# KiCad board knobdeavour.kicad_pcb
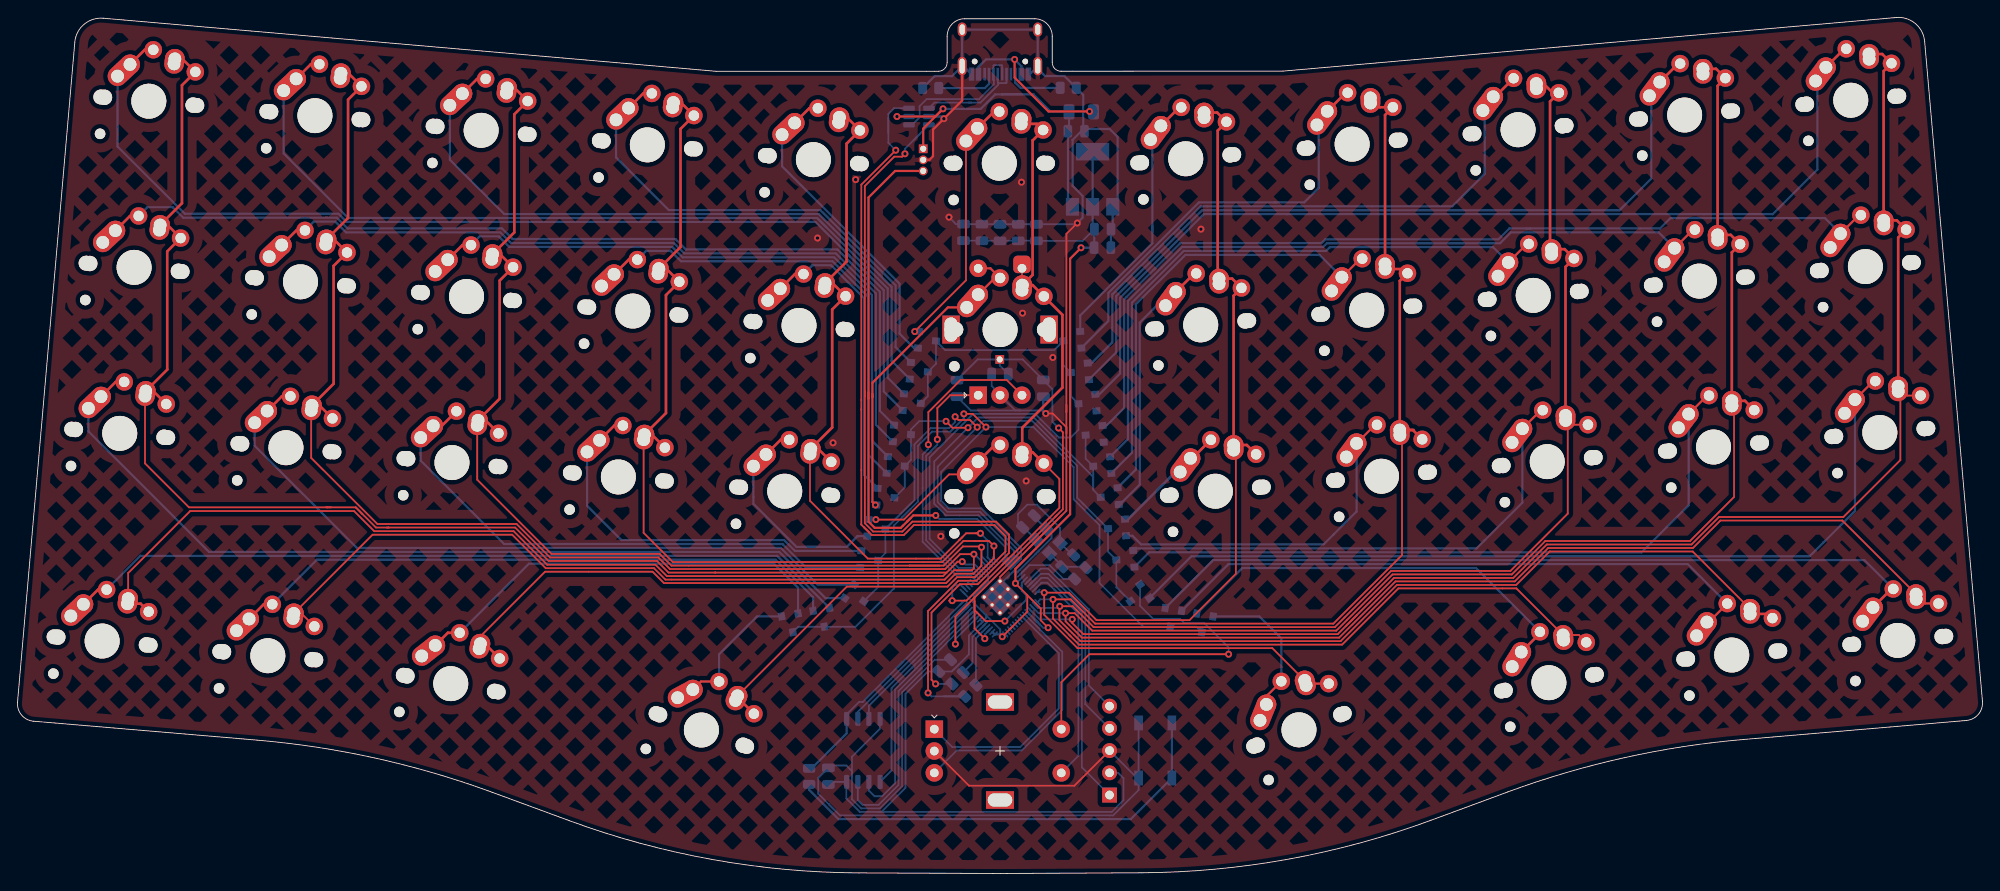
[diagram p0: board, top side]
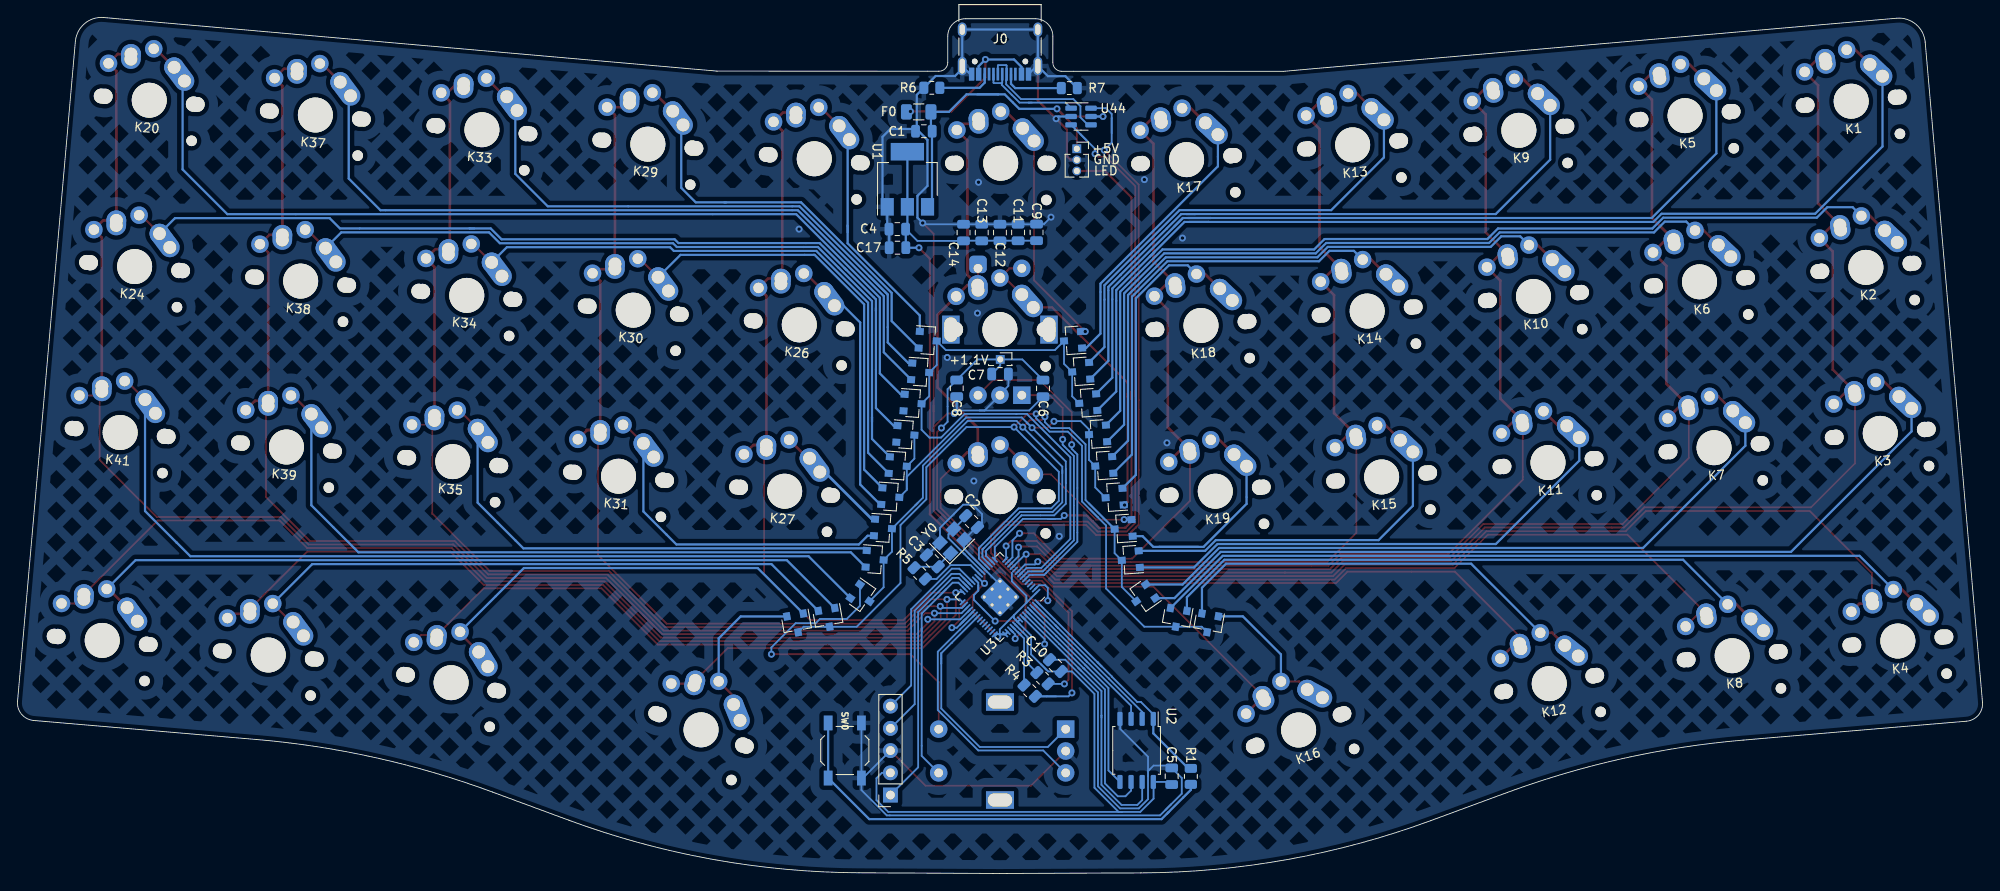
[diagram p1: board, bottom side, seen from below]

Outline 224.38 x 97.82 mm; copper layers: Top, Bottom. Coordinates in mm from the lower left corner of the outline.
Outline path: 0,19.56 6.54,95.01 arc(7.6,97.05) 9.79,97.74 79.81,91.67 103.82,91.68 104.66,91.68 105.16,91.68 arc(105.87,91.97) 106.16,92.68 106.16,95.68 arc(106.74,97.1) 108.16,97.68 116.16,97.68 arc(117.57,97.1) 118.16,95.68 118.16,92.68 arc(118.45,91.97) 119.16,91.68 120.51,91.68 144.52,91.7 214.53,97.82 arc(216.72,97.13) 217.78,95.1 224.38,19.65 arc(223.92,18.2) 222.56,17.49 197.05,15.31 arc(183.4,13.22) 170.15,9.31 161.4,6.08 arc(145.11,1.64) 128.3,0.08 112.26,0 96.1,0.07 arc(79.29,1.61) 62.99,6.04 54.24,9.27 arc(40.99,13.16) 27.34,15.24 1.82,17.4 arc(0.47,18.1) 0,19.56
Stack: Top 0.035mm / dielectric 1.51mm FR4 er 4.5 / Bottom 0.035mm

## Placement (name value [footprint] x y rotation side)
C1  10u  [C_0805_2012Metric]  120.89 84.83 0 bottom
C2  22pf  [C_0805_2012Metric]  115.44 40.22 225 bottom
C3  22pf  [C_0805_2012Metric]  119.93 35.73 45 bottom
C4  10u  [C_0805_2012Metric]  123.92 73.64 0 bottom
C5  100n  [C_0805_2012Metric]  92.59 11.12 90 bottom
C6  100n  [C_0805_2012Metric]  107.28 55.44 270 bottom
C7  100n  [C_0805_2012Metric]  112.19 57.08 180 bottom
C8  1u  [C_0805_2012Metric]  117.13 55.45 270 bottom
C9  100n  [C_0805_2012Metric]  108.02 73.27 90 bottom
C10  1u  [C_0805_2012Metric]  105.87 23.76 45 bottom
C11  100n  [C_0805_2012Metric]  110.13 73.26 90 bottom
C12  100n  [C_0805_2012Metric]  112.2 73.25 90 bottom
C13  100n  [C_0805_2012Metric]  114.28 73.25 90 bottom
C14  100n  [C_0805_2012Metric]  116.36 73.25 90 bottom
C17  10u  [C_0805_2012Metric]  123.9 71.52 0 bottom
D1  BAV70  [SOT-23]  102.15 53.8 356 bottom
D2  BAV70  [SOT-23]  101.03 50.23 356 bottom
D3  BAV70  [SOT-23]  95.82 31.68 325 bottom
D4  BAV70  [SOT-23]  91.96 29.19 280 bottom
D5  BAV70  [SOT-23]  102.95 57.39 356 bottom
D6  BAV70  [SOT-23]  100.32 46.63 356 bottom
D7  BAV70  [SOT-23]  97.29 35.86 356 bottom
D8  BAV70  [SOT-23]  88.37 28.57 280 bottom
D9  BAV70  [SOT-23]  103.88 60.93 356 bottom
D10  BAV70  [SOT-23]  99.14 43.01 356 bottom
D11  BAV70  [SOT-23]  98.11 39.43 356 bottom
D12  BAV70  [SOT-23]  122.15 53.75 184 bottom
D13  BAV70  [SOT-23]  120.42 60.93 184 bottom
D14  BAV70  [SOT-23]  124.69 43.06 184 bottom
D15  BAV70  [SOT-23]  125.53 39.48 184 bottom
D16  BAV70  [SOT-23]  135.42 28.56 260 bottom
D17  BAV70  [SOT-23]  121.28 57.32 184 bottom
D18  BAV70  [SOT-23]  123.84 46.61 184 bottom
D19  BAV70  [SOT-23]  126.48 35.9 184 bottom
D20  BAV70  [SOT-23]  131.83 29.19 260 bottom
D21  BAV70  [SOT-23]  122.97 50.17 184 bottom
D22  BAV70  [SOT-23]  127.91 31.68 215 bottom
F0  polyfuse  [Fuse_1206_3216Metric]  121.48 87.04 180 bottom
J0  USB_C_Receptacle_USB2.0  [USB_C_Receptacle_HRO_TYPE-C-31-M-12]  112.19 95.4 0 bottom
J1  BREAKOUT  [PinSocket_1x05_P2.54mm_Vertical]  124.7 8.97 0 bottom
J2  Conn_01x03_Male  [PinSocket_1x03_P1.27mm_Vertical]  103.42 82.82 180 bottom
J4  Conn_01x01_Male  [PinSocket_1x01_P1.27mm_Vertical]  112.16 58.75 180 bottom
K1  KEYSW  [MX-Alps-Choc-1U-NoLED]  14.99 88.26 355 top
K2  KEYSW  [MX-Alps-Choc-1U-NoLED]  13.31 69.27 355 top
K3  KEYSW  [MX-Alps-Choc-1U-NoLED]  11.67 50.3 355 top
K4  KEYSW  [MX-Alps-Choc-1U-NoLED]  9.66 26.57 355 top
K5  KEYSW  [MX-Alps-Choc-1U-NoLED]  33.96 86.61 355 top
K6  KEYSW  [MX-Alps-Choc-1U-NoLED]  32.31 67.62 355 top
K7  KEYSW  [MX-Alps-Choc-1U-NoLED]  30.65 48.66 355 top
K8  KEYSW  [MX-Alps-Choc-1U-NoLED]  28.58 24.89 355 top
K9  KEYSW  [MX-Alps-Choc-1U-NoLED]  52.94 84.93 355 top
K10  KEYSW  [MX-Alps-Choc-1U-NoLED]  51.27 65.94 355 top
K11  KEYSW  [MX-Alps-Choc-1U-NoLED]  49.61 46.96 355 top
K12  KEYSW  [MX-Alps-Choc-1U-NoLED]  49.47 21.7 350 top
K13  KEYSW  [MX-Alps-Choc-1U-NoLED]  71.92 83.27 355 top
K14  KEYSW  [MX-Alps-Choc-1U-NoLED]  70.26 64.28 355 top
K15  KEYSW  [MX-Alps-Choc-1U-NoLED]  68.61 45.32 355 top
K16  KEYSW  [MX-Alps-Choc-1U-NoLED]  78.09 16.4 340 top
K17  KEYSW  [MX-Alps-Choc-1U-NoLED]  90.88 81.58 355 top
K18  KEYSW  [MX-Alps-Choc-1U-NoLED]  89.24 62.63 355 top
K19  KEYSW  [MX-Alps-Choc-1U-NoLED]  87.61 43.69 355 top
K20  KEYSW  [MX-Alps-Choc-1U-NoLED]  209.34 88.37 5 top
K21  KEYSW  [MX-Alps-Choc-1U-NoLED]  112.11 81.17 0 top
K22  KEYSW  [MX-Alps-Choc-1U-NoLED]  112.2 62.16 0 top
K23  KEYSW  [MX-Alps-Choc-1U-NoLED]  112.19 43.07 0 top
K24  KEYSW  [MX-Alps-Choc-1U-NoLED]  211.01 69.36 5 top
K25  KEYSW  [MX-Alps-Choc-1U-NoLED]  133.4 81.68 5 top
K26  KEYSW  [MX-Alps-Choc-1U-NoLED]  135.11 62.7 5 top
K27  KEYSW  [MX-Alps-Choc-1U-NoLED]  136.78 43.69 5 top
K28  KEYSW  [MX-Alps-Choc-1U-NoLED]  146.33 16.42 20 top
K29  KEYSW  [MX-Alps-Choc-1U-NoLED]  152.4 83.35 5 top
K30  KEYSW  [MX-Alps-Choc-1U-NoLED]  154.07 64.38 5 top
K31  KEYSW  [MX-Alps-Choc-1U-NoLED]  155.75 45.4 5 top
K32  KEYSW  [MX-Alps-Choc-1U-NoLED]  174.87 21.81 10 top
K33  KEYSW  [MX-Alps-Choc-1U-NoLED]  171.35 85 5 top
K34  KEYSW  [MX-Alps-Choc-1U-NoLED]  173.08 66.07 5 top
K35  KEYSW  [MX-Alps-Choc-1U-NoLED]  174.68 47.07 5 top
K36  KEYSW  [MX-Alps-Choc-1U-NoLED]  195.75 24.97 5 top
K37  KEYSW  [MX-Alps-Choc-1U-NoLED]  190.37 86.68 5 top
K38  KEYSW  [MX-Alps-Choc-1U-NoLED]  192.05 67.7 5 top
K39  KEYSW  [MX-Alps-Choc-1U-NoLED]  193.67 48.74 5 top
K40  KEYSW  [MX-Alps-Choc-1U-NoLED]  214.71 26.64 5 top
K41  KEYSW  [MX-Alps-Choc-1U-NoLED]  212.66 50.4 5 top
R1  1k  [R_0805_2012Metric]  90.4 11.1 270 bottom
R3  27  [R_0805_2012Metric]  107.34 22.32 45 bottom
R4  27  [R_0805_2012Metric]  108.8 20.89 45 bottom
R5  1k  [R_0805_2012Metric]  121.36 34.3 45 bottom
R6  5.1k  [R_0805_2012Metric]  119.98 89.79 0 bottom
R7  5.1k  [R_0805_2012Metric]  104.28 89.76 180 bottom
SW0  RESET  [SW_SPST_TL3342]  129.92 14.06 270 bottom
SW1  RotaryEncoder_Switch  [RotaryEncoder_EC11#2]  112.19 14 0 top
SW2  RotaryEncoder_Switch  [RotaryEncoder_EC11]  112.2 62.16 90 top
U1  NCP1117-3.3_SOT223  [SOT-223-3_TabPin2]  122.77 79.34 90 bottom
U2  W25Q128JVS  [SOIC-8_5.23x5.23mm_P1.27mm]  96.59 14.07 270 bottom
U3  RP2040  [RP2040-QFN-56]  112.19 31.6 315 bottom
U44  SRV05-4  [SOT-23-6]  102.94 86.51 180 bottom
Y0  12MHZ Crystal  [Crystal_SMD_3225-4Pin_3.2x2.5mm]  117.67 37.98 135 bottom

## Library data of the parts
C1 C4 C17 = -: LCSC: C91245
C2 C3 = -: LCSC: C1804
C5-C7 C9 C11-C14 = -: LCSC: C49678
C8 C10 = -: LCSC: C28323
F0 = -: LCSC: C69688
J0 = -: LCSC: C165948
R1 R5 = -: LCSC: C11702
R3 R4 = -: LCSC: C138021
R6 R7 = -: LCSC: C27834
SW0 = -: LCSC: C318884
U1 = -: LCSC: C20546
U2 = -: LCSC: C97521
U3 = -: LCSC: C2040
U44 = -: LCSC: C85364
Y0 = -: LCSC: C9002

## Footprints (pads in the part's own frame, mm; a bottom-side part is the same pattern mirrored in y, then rotated)
C_0805_2012Metric
  rrect 1x1.45 smd: 1(-0.95,0) 2(0.95,0)
Crystal_SMD_3225-4Pin_3.2x2.5mm
  rect 1.4x1.2 smd: 1(-1.1,-0.85) 2(1.1,-0.85) 3(1.1,0.85) 4(-1.1,0.85)
Fuse_1206_3216Metric
  rrect 1.25x1.75 smd: 1(-1.4,0) 2(1.4,0)
MX-Alps-Choc-1U-NoLED
  round 1.7 hole 1.7 unplated: (-5.5,0) (5.5,0)
  round 1.2 hole 1.2 unplated: (-5.22,-4.2)
  round 1.75 hole 1.75 unplated: (-5.08,0) (5.08,0)
  round 3.988 hole 3.988 unplated: (0,0)
  oval 2.831x2.25 hole 1.47 rot 86.1: 1(2.5,4.5)
  round 2.25 hole 1.47: 1(2.54,5.08) 2(-2.5,4)
  round 2 hole 1.2: 1(5,3.8) 2(0,5.9)
  oval 4.212x2.25 hole 1.47 rot 48.1: 2(-3.81,2.54)
PinSocket_1x01_P1.27mm_Vertical
  rect 1x1 hole 0.7: 1(0,0)
PinSocket_1x03_P1.27mm_Vertical
  rect 1x1 hole 0.7: 1(0,0)
  oval 1x1 hole 0.7: 2(0,-1.27) 3(0,-2.54)
PinSocket_1x05_P2.54mm_Vertical
  rect 1.7x1.7 hole 1: 1(0,0)
  oval 1.7x1.7 hole 1: 2(0,-2.54) 3(0,-5.08) 4(0,-7.62) 5(0,-10.16)
R_0805_2012Metric
  rrect 1.025x1.4 smd: 1(-0.912,0) 2(0.912,0)
RotaryEncoder_EC11
  rect 3.2x2 hole 2.8x1.5 unplated: (0,5.6) (0,-5.6)
  rect 2x2 hole 1: A(-7.5,2.5)
  round 2 hole 1: B(-7.5,-2.5) C(-7.5,0) S2(7,2.5)
  rrect 2x2 hole 1: S1(7,-2.5)
RotaryEncoder_EC11#2
  rect 3.2x2 hole 2.8x1.5 unplated: (0,5.6) (0,-5.6)
  rect 2x2 hole 1: A(-7.5,2.5)
  round 2 hole 1: B(-7.5,-2.5) C(-7.5,0) S1(7,-2.5) S2(7,2.5)
RP2040-QFN-56
  rrect 1.084x1.084 smd: (-0.637,-0.637) (-0.637,0.637) (0.637,-0.637) (0.637,0.637)
  rrect 0.875x0.2 smd: 1(-3.438,2.6) 2(-3.438,2.2) 3(-3.438,1.8) 4(-3.438,1.4) 5(-3.438,1) 6(-3.438,0.6) 7(-3.438,0.2) 8(-3.438,-0.2) 9(-3.438,-0.6) 10(-3.438,-1) 11(-3.438,-1.4) 12(-3.438,-1.8) 13(-3.438,-2.2) 14(-3.438,-2.6) 29(3.438,-2.6) 30(3.438,-2.2) 31(3.438,-1.8) 32(3.438,-1.4) 33(3.438,-1) 34(3.438,-0.6) 35(3.438,-0.2) 36(3.438,0.2) 37(3.438,0.6) 38(3.438,1) 39(3.438,1.4) 40(3.438,1.8) 41(3.438,2.2) 42(3.438,2.6)
  rrect 0.2x0.875 smd: 15(-2.6,-3.438) 16(-2.2,-3.438) 17(-1.8,-3.438) 18(-1.4,-3.438) 19(-1,-3.438) 20(-0.6,-3.438) 21(-0.2,-3.438) 22(0.2,-3.438) 23(0.6,-3.438) 24(1,-3.438) 25(1.4,-3.438) 26(1.8,-3.438) 27(2.2,-3.438) 28(2.6,-3.438) 43(2.6,3.438) 44(2.2,3.438) 45(1.8,3.438) 46(1.4,3.438) 47(1,3.438) 48(0.6,3.438) 49(0.2,3.438) 50(-0.2,3.438) 51(-0.6,3.438) 52(-1,3.438) 53(-1.4,3.438) 54(-1.8,3.438) 55(-2.2,3.438) 56(-2.6,3.438)
  round 0.6 hole 0.35: 57(-1.275,-1.275) 57(-1.275,0) 57(-1.275,1.275) 57(0,-1.275) 57(0,0) 57(0,1.275) 57(1.275,-1.275) 57(1.275,0) 57(1.275,1.275)
  rrect 3.2x3.2 smd: 57(0,0)
SOIC-8_5.23x5.23mm_P1.27mm
  rrect 1.6x0.6 smd: 1(-3.6,1.905) 2(-3.6,0.635) 3(-3.6,-0.635) 4(-3.6,-1.905) 5(3.6,-1.905) 6(3.6,-0.635) 7(3.6,0.635) 8(3.6,1.905)
SOT-23
  rect 0.9x0.8 smd: 1(-1,0.95) 2(-1,-0.95) 3(1,0)
SOT-23-6
  rrect 1.325x0.6 smd: 1(-1.137,0.95) 2(-1.137,0) 3(-1.137,-0.95) 4(1.137,-0.95) 5(1.137,0) 6(1.137,0.95)
SOT-223-3_TabPin2
  rect 2x1.5 smd: 1(-3.15,2.3) 2(-3.15,0) 3(-3.15,-2.3)
  rect 2x3.8 smd: 2(3.15,0)
SW_SPST_TL3342
  rect 1.7x1 smd: 1(-3.15,1.9) 1(3.15,1.9) 2(-3.15,-1.9) 2(3.15,-1.9)
USB_C_Receptacle_HRO_TYPE-C-31-M-12
  round 0.65 hole 0.65 unplated: (-2.89,2.6) (2.89,2.6)
  rect 0.6x1.45 smd: A1(-3.25,4.045) A4(-2.45,4.045) A9(2.45,4.045) A12(3.25,4.045) B1(3.25,4.045) B4(2.45,4.045) B9(-2.45,4.045) B12(-3.25,4.045)
  rect 0.3x1.45 smd: A5(-1.25,4.045) A6(-0.25,4.045) A7(0.25,4.045) A8(1.25,4.045) B5(1.75,4.045) B6(0.75,4.045) B7(-0.75,4.045) B8(-1.75,4.045)
  oval 1x1.6 hole 0.6x1.2: S1(-4.32,-1.05) S1(4.32,-1.05)
  oval 1x2.1 hole 0.6x1.7: S1(-4.32,3.13) S1(4.32,3.13)

## Nets
+1V1: C6.1 C7.1 C8.1 J4.1 U3.23 U3.45 U3.50
+3V3: C4.1 C5.1 C9.1 C10.1 C11.1 C12.1 C13.1 C14.1 C17.1 J1.2 U1.2 U2.8 U3.1 U3.10 U3.22 U3.33 U3.42 U3.43 U3.44 U3.48 U3.49
+5V: C1.1 F0.2 J2.1 U1.3 U44.5
GND: C1.2 C2.2 C3.2 C4.2 C5.2 C6.2 C7.2 C8.2 C9.2 C10.2 C11.2 C12.2 C13.2 C14.2 C17.2 J0.A1 J0.A12 J0.B1 J0.B12 J0.S1 J1.3 J2.2 R6.2 R7.2 SW0.1 SW1.C SW2.C U1.1 U2.4 U3.19 U3.57 U44.2 Y0.2 Y0.4
VBUS: F0.1 J0.A4 J0.A9 J0.B4 J0.B9
/GPIO26_ADC0: U3.38
/GPIO27_ADC1: U3.39
/GPIO28_ADC2: U3.40
/GPIO29_ADC3: U3.41
/QSPI_SCLK: U2.6 U3.52
/QSPI_SD0: U2.5 U3.53
/QSPI_SD1: U2.2 U3.55
/QSPI_SD2: U2.3 U3.54
/QSPI_SD3: U2.7 U3.51
/QSPI_SS: R1.1 U2.1 U3.56
/RUN: J1.1 U3.26
/SWCLK: J1.5 U3.24
/SWD: J1.4 U3.25
/USB_D+: R3.1 U44.3
/USB_D-: R4.1 U44.6
/USB_DIN+: J0.A6 J0.B6 U44.1
/USB_DIN-: J0.A7 J0.B7 U44.4
/XIN: C2.1 U3.20 Y0.3
/XOUT: R5.1 U3.21
/~{USB_BOOT}: R1.2 SW0.2
COL0: K1.1 K2.1 K3.1 K4.1 U3.9
COL1: K5.1 K6.1 K7.1 K8.1 U3.11
COL2: K9.1 K10.1 K11.1 K12.1 U3.12
COL3: K13.1 K14.1 K15.1 K16.1 U3.14
COL4: K17.1 K18.1 K19.1 U3.13
COL5: K21.1 K22.1 K23.1 SW2.S1 U3.2
COL6: K25.1 K26.1 K27.1 K28.1 U3.28
COL7: K29.1 K30.1 K31.1 K32.1 U3.29
COL8: K33.1 K34.1 K35.1 K36.1 U3.30
COL9: K37.1 K38.1 K39.1 K40.1 U3.31
COL10: K20.1 K24.1 K41.1 U3.32
KNOB2_L: SW2.A U3.7
KNOB2_R: SW2.B U3.6
KNOB2_ROW: D10.1 K22.2 SW2.S2
KNOB_COL: SW1.S1 U3.27
KNOB_DIODE: D22.1 SW1.S2
KNOB_L: SW1.A U3.35
KNOB_R: SW1.B U3.34
LED_GLOW: J2.3 U3.15
ROW0: D1.3 D5.3 D9.3 D12.3 D13.3 D17.3 U3.8
ROW1: D2.3 D6.3 D10.3 D14.3 D18.3 D21.3 U3.16
ROW2: D3.3 D7.3 D11.3 D15.3 D19.3 D22.3 U3.17
ROW3: D4.3 D8.3 D16.3 D20.3 U3.18
Net-(C3-Pad1): C3.1 R5.2 Y0.1
Net-(D1-Pad1): D1.1 K1.2
Net-(D1-Pad2): D1.2 K5.2
Net-(D2-Pad1): D2.1 K6.2
Net-(D2-Pad2): D2.2 K2.2
Net-(D3-Pad1): D3.1 K3.2
Net-(D3-Pad2): D3.2 K7.2
Net-(D4-Pad1): D4.1 K8.2
Net-(D4-Pad2): D4.2 K4.2
Net-(D5-Pad1): D5.1 K9.2
Net-(D5-Pad2): D5.2 K13.2
Net-(D6-Pad1): D6.1 K14.2
Net-(D6-Pad2): D6.2 K10.2
Net-(D7-Pad1): D7.1 K11.2
Net-(D7-Pad2): D7.2 K15.2
Net-(D8-Pad1): D8.1 K16.2
Net-(D8-Pad2): D8.2 K12.2
Net-(D9-Pad1): D9.1 K17.2
Net-(D9-Pad2): D9.2 K21.2
Net-(D10-Pad2): D10.2 K18.2
Net-(D11-Pad1): D11.1 K19.2
Net-(D11-Pad2): D11.2 K23.2
Net-(D12-Pad1): D12.1 K20.2
Net-(D13-Pad1): D13.1 K25.2
Net-(D13-Pad2): D13.2 K29.2
Net-(D14-Pad1): D14.1 K30.2
Net-(D14-Pad2): D14.2 K26.2
Net-(D15-Pad1): D15.1 K27.2
Net-(D15-Pad2): D15.2 K31.2
Net-(D16-Pad1): D16.1 K32.2
Net-(D16-Pad2): D16.2 K28.2
Net-(D17-Pad1): D17.1 K33.2
Net-(D17-Pad2): D17.2 K37.2
Net-(D18-Pad1): D18.1 K38.2
Net-(D18-Pad2): D18.2 K34.2
Net-(D19-Pad1): D19.1 K35.2
Net-(D19-Pad2): D19.2 K39.2
Net-(D20-Pad1): D20.1 K40.2
Net-(D20-Pad2): D20.2 K36.2
Net-(D21-Pad1): D21.1 K24.2
Net-(D22-Pad2): D22.2 K41.2
Net-(J0-PadA5): J0.A5 R7.1
Net-(J0-PadB5): J0.B5 R6.1
Net-(R3-Pad2): R3.2 U3.47
Net-(R4-Pad2): R4.2 U3.46

Pads without a net: D12 2; D21 2; J0 A8 B8; U3 3 4 5 36 37

## Via types
v1: diameter 0.8, hole 0.4, Top to Bottom, 53 vias

## Routing (per net, layer and track width the routed paths; a pad name or vN(x,y) marks a point on that pad's centre or on a via; arc(x,y) is an arc through that point)
+1V1: length 74.1
  Top w0.2: 109.28,31.13 109.28,28.01 v1(110.46,26.84) 110.74,26.84 ; 109.28,31.13 109.28,30.11 110.55,28.85 v1(112.75,28.85) ; 109.28,31.13 109.28,31.53 ; 109.28,31.53 107.1,29.35 v1(107.1,26.22) ; 109.28,31.53 118.47,40.72 ; 118.47,40.72 119.37,41.62 119.37,50.42 v1(118.89,50.91) ; 118.47,40.72 118.72,40.97
  Bottom w0.2: U3.23 114.67,33.23 114.67,32.9 ; v1(107.1,26.22) 107.1,26.79 U3.50 109.28,28.97 ; 114.67,32.35 114.67,32.9 ; 114.67,32.9 114.67,32.31 115.17,31.82 115.17,31.27 v1(112.75,28.85) ; J4.1 109.64,58.75 C6.1 ; J4.1 112.16,58.05 C7.1 ; J4.1 114.78,58.75 C8.1 118.18,55.35 118.18,51.62 v1(118.89,50.91) ; 110.46,26.67 v1(110.46,26.84) 110.46,27.32 U3.45 110.73,27.59
+3V3: length 175.1
  Top w0.2: v1(117.69,28.09) 116.84,28.93 116.84,30.27 115.31,31.81 ; 113.63,28.24 113.28,27.89 ; 113.28,27.89 v1(112.45,27.06) ; 113.28,27.89 115.31,29.92 115.31,31.81 ; 115.31,31.81 v1(113.96,33.16)
  Top w0.25: 121.29,71.51 v1(121.45,71.51) 120.2,70.26 120.2,41.06 113.96,34.82 v1(113.96,33.16)
  Bottom w0.2: 109.18,30.94 109.18,31.74 110.85,33.4 110.85,34.36 ; 109.18,30.94 U3.1 ; 109.18,30.94 110.61,29.51 ; v1(117.69,28.09) 117.12,28.09 116.25,28.96 ; C5.1 92.89,10.47 U2.8 94.66,10.44 94.66,8.56 96.18,7.04 98.28,7.04 ; U3.48 108.64,27.2 108.64,25.04 107.51,23.9 ; U3.48 110.19,28.77 110.61,29.19 110.61,29.51 ; U3.48 U3.49 ; C9.1 116.34,72.32 C14.1 121.63,72.3 C4.1 ; U3.22 114.04,33.16 v1(113.96,33.16) ; J1.2 125.68,11.51 126.3,10.89 126.3,8.38 124.95,7.04 98.28,7.04 ; 107.51,23.9 106.87,23.26 ; 107.51,23.9 106.69,23.09 C10.1 103.96,23.09 101.41,20.53 101.41,9.8 98.64,7.04 98.28,7.04 ; 116.25,28.96 116.78,28.43 ; 116.25,28.96 116.11,29.1 ; 112.22,27.33 112.22,27.9 110.61,29.51 ; 116.6,28.61 U3.33 115.33,29.87 116.11,29.1 ; 116.11,29.1 116.41,28.8 116.76,28.45 ; 112.52,27.33 112.45,27.26 v1(112.45,27.06) ; 117.46,28.08 117.58,28.08
  Bottom w0.25: 111.34,27.59 U3.43 112.75,27.33 112.77,27.31 ; U1.2 U1.2 122.77,73.84 C4.1 122.95,73.62 C17.1 122.94,71.51 v1(121.45,71.51)
+5V: length 41.9
  Top w0.25: v1(100.43,86.51) 104.82,86.51 v1(105.69,87.39) 103.42,85.12 J2.1
  Bottom w0.25: U1.3 119.96,76.7 119.96,84.81 C1.1 120.08,84.97 F0.2 118.02,87.04 116.02,89.04 112.41,89.04 ; 112.41,89.04 111.65,89.04 110,87.39 v1(105.69,87.39) ; 112.41,89.04 114.77,89.04 ; v1(100.43,86.51) U44.5
GND: length 313.4
  Top w0.2: U3.57 112.19,33.88 115.58,37.26 ; v1(121.02,74.34) 119.77,73.09 119.77,52.76 ; 119.77,52.76 119.77,41.46 115.58,37.26 ; 119.77,52.76 119.77,53.55 ; 115.58,37.26 119.29,40.98 ; 119.77,50.26 119.77,51.01 118.22,52.57 v1(117.42,52.57) ; J1.3 120.69,10.04 108.65,10.04 SW1.C
  Top w0.25: v1(105.78,86.25) 104.55,85.02 104.55,81.97 104.13,81.55 J2.2 ; v1(105.78,86.25) 106.03,86.5 ; v1(105.78,86.25) 107.87,88.34 J0.S1
  Bottom w0.2: 92.65,7.9 91.44,9.12 91.44,10.92 C5.2 92.86,12.34 94.65,12.34 95.29,11.7 95.29,11.1 ; 92.65,7.9 93.33,7.23 ; 92.65,7.9 93.92,6.64 124.79,6.64 125.12,6.64 128.02,9.54 SW0.1 ; C7.2 111.24,55.72 112.2,54.76 SW2.C 113.94,52.92 114.5,52.92 ; 114.5,52.92 117.07,52.92 v1(117.42,52.57) 117.13,52.85 C8.2 ; 114.5,52.92 108.84,52.92 107.28,54.48 C6.2 ; 114,31.21 U3.57 ; C3.2 120.45,36.4 Y0.4 119.05,39.5 116.4,42.15 115.31,42.15 114.25,41.09 114.25,40.06 C2.2 114.9,39.55 Y0.2 116.29,37.11 U3.19 ; v1(121.02,74.34) 120.88,74.2 C14.2 108.04,74.2 C9.2 107.16,74.22 v1(106.37,75.01) ; U3.19 112.58,33.4 U3.57 ; U3.19 115.74,36.56 ; SW0.1 SW0.1 ; SW0.1 127.84,10.91 J1.3 ; 95.29,11.1 95.29,8.49 96.34,7.44 98.48,7.44 101.01,9.97 101.01,20.69 104.74,24.43 C10.2 ; 95.29,11.1 95.29,13.35 98.47,16.53 98.47,17.64 U2.4 ; C8.2 117.13,52.53 ; C8.2 117.13,53.71
  Bottom w0.25: C1.2 121.69,84.97 121.69,88.98 R6.2 119.54,91.14 117.33,91.14 116.51,91.96 J0.S1 ; C1.2 122.1,85.09 124.71,85.09 125.62,84.18 125.62,76.74 U1.1 125.07,73.84 C4.2 124.85,73.62 C17.2 ; C1.2 121.48,84.83 120.48,83.83 120.48,78.58 121.62,77.44 121.62,74.94 v1(121.02,74.34) ; J0.S1 J0.S1 J0.S1 J0.S1 ; J0.S1 106.72,91.12 104.73,91.12 R7.2 ; J0.S1 108.02,92.27 J0.A1 ; J0.A12 115.59,91.35 J0.S1 ; v1(105.78,86.25) 105.53,86.51 U44.2
  vias: v1(91.36,72.62) v1(93.13,49.22) v1(95.71,79.3) v1(105.43,38.54) v1(114.65,79) v1(114.77,64.04) v1(115.18,44.86) v1(118.22,58.97) v1(135.14,73.64)
VBUS: length 19.5
  Top w0.25: v1(113.86,93.03) 113.86,90.96 117.73,87.09 v1(122.42,87.09)
  Bottom w0.25: J0.A4 109.74,92.18 110.59,93.03 v1(113.86,93.03) 114.64,92.25 J0.A9
/QSPI_SCLK: length 28.3
  Bottom w0.2: 102.66,23.48 102.51,23.33 ; 102.66,23.48 102.66,23.48 100.21,21.03 100.21,10.3 98.74,8.83 97.87,8.83 97.23,9.47 U2.6 ; 102.66,23.48 105.43,26.25 105.43,26.25 U3.52
/QSPI_SD0: length 24.5
  Bottom w0.2: 102.49,23.87 99.81,21.19 99.81,11.78 U2.5 ; 102.49,23.87 102.11,23.49 ; 102.49,23.87 105.75,27.13 105.75,27.13 U3.53
/QSPI_SD1: length 18.5
  Bottom w0.2: U3.55 105.83,28.35 ; 105.83,28.35 105.83,28.34 99.77,22.28 99.77,22.28 95.96,18.47 U2.2 ; 105.83,28.35 105.55,28.06 105.55,28.06
/QSPI_SD2: length 17.8
  Bottom w0.2: U3.54 102.24,24.19 ; 102.24,24.19 97.23,19.17 U2.3 ; 102.24,24.19 102.47,24.42
/QSPI_SD3: length 31.8
  Bottom w0.2: U2.7 95.96,8.39 96.51,7.84 98.31,7.84 100.61,10.13 100.61,18.06 ; 103.27,23.52 109.34,29.59 U3.51 ; 103.27,23.52 102.91,23.16 ; 103.27,23.52 100.61,20.86 100.61,18.06 ; 100.61,18.06 100.61,17.8
/QSPI_SS: length 27.3
  Bottom w0.2: U2.1 94.69,18.19 96.1,19.61 96.53,19.61 99.42,22.5 99.42,22.52 101.03,24.12 101.04,24.12 ; 100.59,23.67 100.59,23.67 101.04,24.12 ; U3.56 101.04,24.12
  Bottom w0.25: R1.1 90.68,12.01 94.69,16.02 U2.1
/RUN: length 30.7
  Bottom w0.2: J1.1 121.54,12.13 121.54,29.86 117.62,33.78 116.92,33.78 U3.26 116.45,33.31
/SWCLK: length 21.6
  Bottom w0.2: U3.24 115.33,33.32 116.85,34.84 117.69,34.84 122.34,30.19 122.34,21.49 J1.5
/SWD: length 24.2
  Bottom w0.2: 116.37,33.8 U3.25 116.82,34.24 117.72,34.24 121.94,30.03 121.94,19.35 J1.4
/USB_D+: length 92.6
  Top w0.2: v1(104.84,21.67) 104.37,22.13 104.37,29.82 107.61,33.06 109.65,33.06 113.22,36.63 113.22,38.74 111.74,40.22 102.19,40.22 101.05,39.08 97.71,39.08 96.75,40.03 96.75,54.53 ; 96.75,54.53 96.75,55.18 ; 96.75,54.53 96.75,78.56 100.11,81.92 101.01,81.92 v1(101.34,82.25)
  Bottom w0.2: U44.3 102.99,84.47 ; 102.99,84.47 101.34,82.82 v1(101.34,82.25) ; 102.99,84.47 102.33,83.81 ; R3.1 106.69,21.67 v1(104.84,21.67)
/USB_D-: length 102.2
  Top w0.2: 103.97,22.81 103.97,23.35 ; 103.97,23.35 103.97,29.98 107.44,33.46 109.48,33.46 112.82,36.79 112.82,38.57 111.57,39.82 102.35,39.82 101.21,38.68 97.54,38.68 96.67,39.55 ; 103.97,23.35 v1(103.98,20.64) 103.97,20.63 ; 96.67,39.55 96.35,39.87 96.35,78.72 v1(100.29,82.66) ; 96.67,39.55 97.31,38.91
  Bottom w0.2: 99.44,86.33 99.44,84.61 ; 99.44,86.33 99.44,86.8 100.1,87.46 U44.6 ; 99.44,86.33 99.44,83.51 v1(100.29,82.66) ; v1(103.98,20.64) 104.37,20.24 R4.1 105.78,20.24
/USB_DIN+: length 12.5
  Bottom w0.2: 111.99,90.33 111.94,90.38 J0.A6 ; 111.99,90.33 111.99,90.12 109.96,88.1 108.89,88.1 ; 111.99,90.33 112.89,90.33 112.94,90.38 J0.B6 ; 108.89,88.1 108.56,88.1 ; 108.89,88.1 104.72,88.1 U44.1
/USB_DIN-: length 16.5
  Bottom w0.2: U44.4 102.15,85.56 103.01,86.42 103.01,87.69 103.82,88.5 109.8,88.5 111.49,90.19 111.49,90.63 111.44,90.68 J0.B7 111.44,92.33 111.49,92.38 112.39,92.38 112.44,92.33 J0.A7
/XIN: length 9.5
  Bottom w0.2: 116.22,36.47 114.2,34.45 U3.20 ; 116.22,36.47 116.7,36.95 ; 116.22,36.47 118.08,38.33 118.08,38.77 Y0.3 116.11,40.74 C2.1
/XOUT: length 7.3
  Bottom w0.2: R5.1 119.44,33.65 117.86,35.24 115.55,35.24 U3.21
/~{USB_BOOT}: length 52
  Bottom w0.25: 92.93,7.03 90.4,9.56 R1.2 ; 92.93,7.03 93.15,6.8 ; 92.93,7.03 93.74,6.21 127.12,6.21 SW0.2 SW0.2
COL0: length 263.9
  Top w0.2: 106.1,34.39 79.66,34.39 79.66,34.39 79.66,34.39 74.34,34.39 73.01,35.72 60.65,35.72 56.83,39.54 42.37,39.54 ; 106.1,34.39 107.35,35.64 v1(107.88,35.64) ; 106.1,34.39 105.7,33.99 74.15,33.99 72.85,35.29 60.48,35.29 56.65,39.12 40.74,39.12 38.44,41.42 19.72,41.42 12.64,34.34 K4.1 ; 35.26,41.85 35.83,41.85 ; 35.26,41.85 38.62,41.85 39.38,41.09 ; 35.26,41.85 19.58,41.85 14.56,46.87 K3.1 ; 42.37,39.54 42.15,39.54 ; 42.37,39.54 40.93,39.54 39.38,41.09 ; 39.38,41.09 38.65,41.82
  Top w0.3: K4.1 14.06,30.83 K4.1 ; K1.1 18.82,93.1 K1.1 18.78,90.08 18.78,76.6 K2.1 17.14,74.11 K2.1 17.1,71.09 17.1,57.59 K3.1 15.5,55.14 K3.1
  Bottom w0.2: U3.9 109.32,35.32 108.2,35.32 v1(107.88,35.64)
COL1: length 225.6
  Top w0.2: K8.1 40.55,38.72 56.49,38.72 60.32,34.89 72.68,34.89 73.98,33.59 74.64,33.59 105.88,33.59 106.95,34.66 108.99,34.66 109.21,34.88 v1(109.21,36.49) 107.63,36.49 105.93,34.79 74.51,34.79 73.18,36.12 60.81,36.12 56.99,39.94 41.09,39.94 33.54,47.49 K7.1 ; K8.1 31.56,29.24 K8.1 ; K8.1 32.41,29.73 K8.1
  Top w0.3: K7.1 34.48,53.5 K7.1 36.1,55.97 36.1,69.44 K6.1 36.14,72.46 K6.1 37.75,74.92 37.75,88.43 K5.1 37.79,91.45 K5.1
  Bottom w0.2: v1(109.21,36.49) 109.28,36.49 U3.11
COL2: length 190.1
  Top w0.2: K12.1 52.72,26.97 60.24,34.49 72.52,34.49 73.82,33.19 74.15,33.19 106.04,33.19 107.11,34.26 109.15,34.26 110.07,35.18 v1(110.07,37.28) ; v1(110.07,37.28) 109.98,37.37 107.95,37.37 105.77,35.19 101.85,35.19 ; v1(110.07,37.28) 110.19,37.17 ; 101.85,35.19 105.29,35.19 ; 101.85,35.19 74.67,35.19 73.34,36.52 60.98,36.52 52.5,45 K11.1
  Top w0.3: K9.1 56.77,89.77 K9.1 56.73,86.75 56.73,73.26 K10.1 55.1,70.78 K10.1 55.06,67.76 55.06,54.27 K11.1 53.44,51.8 K11.1 ; K12.1 53.37,26.26 K12.1
  Bottom w0.2: U3.12 110.07,36.26 v1(110.07,37.28)
COL3: length 142
  Top w0.2: K15.1 71.5,38.93 74.84,35.59 105.6,35.59 108.01,38 110.93,38 v1(111.5,37.43) 111.5,36.04 109.32,33.86 107.28,33.86 106.21,32.79 94.7,32.79 K16.1
  Top w0.3: K13.1 75.75,88.11 K13.1 75.71,85.09 75.71,71.59 K14.1 74.09,69.12 K14.1 74.05,66.1 74.05,52.62 K15.1 72.44,50.16 K15.1 ; K16.1 82.22,20.13 K16.1
  Bottom w0.2: U3.14 111.5,35.97 v1(111.5,37.43)
COL4: length 80.7
  Top w0.2: 107.55,38.1 108.33,38.88 v1(109.96,38.88) 109.46,38.88 109.47,38.88 ; 107.55,38.1 107.92,38.47 ; 107.55,38.1 105.44,35.99 97.1,35.99 90.49,42.59 K19.1
  Top w0.3: K17.1 94.71,86.42 K17.1 94.67,83.4 94.67,69.92 K18.1 93.07,67.47 K18.1 93.03,64.45 93.03,50.97 K19.1 91.43,48.53 92.92,47.04
  Bottom w0.2: U3.13 110.77,36.13 110.77,38.06 v1(109.96,38.88)
COL5: length 77.1
  Top w0.2: SW2.S1 114.7,67.28 K22.1 ; 113.15,35.97 112.42,35.23 ; 113.15,35.97 108.36,31.18 v1(106.74,31.18) 106.38,31.18 ; 113.15,35.97 118.97,41.79 118.97,45.09 K23.1
  Top w0.3: K21.1 116.41,85.67 K21.1 115.92,83.77 115.92,68.41 K22.1 115.92,67.24 K22.1 119.32,63.84 119.32,55.53 114.73,50.94 K23.1 115.91,48.15 K23.1
  Bottom w0.2: v1(106.74,31.18) 106.74,32.64 107.04,32.94 107.74,32.94 U3.2
COL6: length 125.2
  Top w0.2: K27.1 139.13,48.14 139.13,34.25 133.83,28.95 123.22,28.95 120.08,32.09 v1(117.24,32.09) 117.24,29.56 121.05,25.76 143.29,25.76 K28.1
  Top w0.25: K28.1 147.34,21.7 K28.1
  Top w0.3: K26.1 138.7,67.98 K26.1 138.87,66.03 K27.1 140.37,48.97 K27.1 ; K26.1 137.05,67.56 137.05,84.9 K25.1 136.99,86.96 K25.1
  Bottom w0.2: 116.63,32.19 U3.28 117.15,32.19 v1(117.24,32.09)
COL7: length 176.6
  Top w0.2: K31.1 158.1,49.85 158.1,36.39 150.26,28.55 123.05,28.55 120.28,31.33 v1(118.25,31.33) 118.25,29.12 120.13,27.23 ; 120.13,27.23 121.21,26.16 151.26,26.16 157.68,32.58 171.16,32.58 K32.1 178.3,27.25 K32.1 ; 120.13,27.23 120.3,27.07
  Top w0.3: K30.1 158.24,69.08 K30.1 157.84,67.72 K31.1 ; K31.1 159.34,50.68 K31.1 ; K29.1 155.55,87.57 K29.1 156.16,86.68 K30.1 ; K31.1 159.43,50.68
  Bottom w0.2: v1(118.25,31.33) 116.78,31.33 U3.29
COL8: length 214.8
  Top w0.2: K36.1 191.29,36.8 174.96,36.8 171.14,32.98 157.51,32.98 151.09,26.56 121.38,26.56 118.98,28.95 118.98,30.5 v1(119.02,30.54) 120.5,30.54 122.89,28.15 150.43,28.15 156.85,34.58 170.48,34.58 177.03,41.13 177.03,51.52 K35.1 177.26,51.29 K35.1
  Top w0.3: K35.1 176.77,69.33 K34.1 176.67,71.35 K34.1 175,71.52 175,88.22 K33.1 175.31,89.22 174.25,90.28 K33.1 ; K36.1 199.92,29.67 K36.1
  Bottom w0.2: v1(119.02,30.54) 118.83,30.35 116.56,30.35 U3.30
COL9: length 254.5
  Top w0.2: K40.1 208.38,40.34 194.46,40.34 191.32,37.2 174.79,37.2 170.97,33.38 157.35,33.38 150.93,26.96 121.54,26.96 119.68,28.82 v1(119.68,29.75) 120.73,29.75 122.72,27.75 150.6,27.75 157.02,34.18 170.64,34.18 174.46,38 190.99,38 196.02,43.03 196.02,53.19 K39.1
  Top w0.25: K40.1 217.86,30.86 K40.1
  Top w0.3: K39.1 197.26,54.02 K39.1 195.76,70.98 K38.1 195.64,72.98 K38.1 194.14,90.02 K37.1 193.96,91.96 K37.1
  Bottom w0.2: v1(119.68,29.75) 116.59,29.75 U3.31
COL10: length 165
  Top w0.2: K41.1 215.81,54.62 K41.1 ; 151.67,28.27 152.95,29.54 ; 152.95,29.54 150.76,27.36 121.71,27.36 120.44,28.62 v1(120.44,29.05) ; 152.95,29.54 157.18,33.78 170.81,33.78 174.63,37.6 191.15,37.6 194.29,40.74 208.5,40.74 215.01,47.25 215.01,54.85 K41.1
  Top w0.3: K20.1 212.93,93.65 K20.1 213.1,91.7 K24.1 214.6,74.64 K24.1 214.76,72.68 K41.1
  Bottom w0.2: U3.32 116.72,29.05 v1(120.44,29.05)
KNOB2_L: length 28.7
  Top w0.2: v1(105.04,49.61) 105.04,53.19 106.51,54.66 SW2.A
  Bottom w0.2: U3.7 108.99,34.52 107.31,34.52 103.76,38.07 103.76,47.72 105.04,49 v1(105.04,49.61) 105.04,49.8
KNOB2_R: length 35.8
  Top w0.2: SW2.B 112.96,56.4 107.68,56.4 104.01,52.72 v1(104.01,49.01)
  Bottom w0.2: U3.6 108.82,34.12 107.15,34.12 103.36,37.91 103.36,47.89 104.01,48.54 v1(104.01,49.01)
KNOB2_ROW: length 35.1
  Top w0.25: K22.2 111.6,68.06 K22.2 111.1,69.16 SW2.S2 ; K22.2 106.24,64.7 97.63,56.08 97.63,54.47 ; 97.63,54.47 97.63,42.45 v1(97.97,42.11) 98.02,42.14 ; 97.63,54.47 97.63,54.81
KNOB_COL: length 27.4
  Bottom w0.2: 121.14,28.02 121.14,29.7 118.38,32.46 ; 121.14,28.02 121.14,27.69 ; 121.14,28.02 121.14,13.44 SW1.S1 ; 118.38,32.46 119.29,31.54 ; 118.38,32.46 117.6,33.23 116.94,33.23 U3.27
KNOB_DIODE: length 41.1
  Top w0.2: SW1.S2 119.19,21.85 122.4,25.06 v1(138.3,25.06)
  Bottom w0.2: v1(138.3,25.06) 138.3,25.84 135.53,28.6 133.24,28.6 132.76,29.09 129.69,29.09 128.18,30.59 D22.1
KNOB_L: length 30.2
  Bottom w0.2: U3.35 117.71,26.37 117.71,26.37 118.9,25.18 ; 118.9,25.18 118.9,24.01 ; 118.9,25.18 118.9,24.01 ; 118.9,24.01 118.9,18.85 114.5,14.46 106.73,14.46 SW1.A
KNOB_R: length 30.2
  Bottom w0.2: SW1.B 107.25,14.06 114.67,14.06 119.3,18.69 119.3,25.34 116.78,27.86 U3.34
LED_GLOW: length 66.8
  Top w0.25: 97.18,54.28 97.18,77.25 100.21,80.28 J2.3 ; 97.18,54.28 97.18,55 ; 97.18,54.28 97.18,40.21 97.88,39.5 100.87,39.5 101.6,40.23 ; 101.6,40.23 102.01,40.64 ; 101.6,40.23 102.29,40.92 v1(104.86,40.92)
  Bottom w0.2: 106.76,40.53 106.58,40.53 ; 106.76,40.53 109.57,40.53 112.79,37.32 U3.15 ; 106.76,40.53 105.99,40.53 ; 106.58,40.53 105.84,40.53 ; 106.58,40.53 105.25,40.53 v1(104.86,40.92)
ROW0: length 71.8
  Bottom w0.2: D1.3 103.95,54.53 D5.3 104.88,58.25 D9.3 105.92,59.81 118.38,59.81 D13.3 119.42,58.11 D17.3 120.28,54.55 D12.3 121.15,50.71 120.26,49.82 118.92,49.82 116.22,52.52 110.33,52.52 110.33,52.52 109.12,52.52 104.16,47.56 104.16,38.24 107.48,34.92 109.16,34.92 U3.8 109.65,34.42
ROW1: length 68.9
  Top w0.2: v1(108.53,50.94) 106.76,50.94 v1(106.03,51.68)
  Bottom w0.2: 113.8,36.48 113.8,36.85 ; 113.8,36.48 113.8,36.31 U3.16 ; 113.8,36.48 113.8,36.87 109.74,40.93 106.01,40.93 104.68,42.26 104.68,44.61 ; 109,51.41 109.13,51.54 v1(108.53,50.94) ; 104.68,44.61 104.68,47.09 v1(108.53,50.94) ; 104.68,44.61 104.68,46.24 ; D10.3 101.32,44.12 D6.3 102.03,47.27 D2.3 102.03,50.75 102.98,51.7 106.01,51.7 v1(106.03,51.68) 106.03,51.75 ; v1(108.53,50.94) 109.71,52.12 116.05,52.12 122.84,45.33 122.84,43.99 ; D14.3 122.84,43.84 122.84,43.99 ; 122.84,43.99 D18.3 121.97,47.41 D21.3
ROW2: length 90.4
  Top w0.2: v1(109.59,51.01) 108.77,51.83 107.44,51.83 v1(107.07,52.2)
  Bottom w0.2: 102.05,42.3 D11.3 ; D11.3 102.43,42.68 102.43,49.04 104.28,50.9 106.37,50.9 107.07,51.6 v1(107.07,52.2) ; D11.3 99.11,36.61 D7.3 98.29,32.75 D3.3 ; 114.11,37.12 109.9,41.33 106.17,41.33 105.08,42.42 105.08,46.07 ; 114.11,37.12 114.2,37.03 114.2,36.15 U3.17 ; 114.11,37.12 114.02,37.21 ; 121.85,42.09 121.57,42.37 ; 121.85,42.09 121,42.94 121,46.6 115.89,51.72 110.3,51.72 v1(109.59,51.01) 105.08,46.5 105.08,45.74 ; 121.85,42.09 D15.3 124.53,36.78 D19.3 125.48,32.71 D22.3
ROW3: length 108
  Top w0.2: v1(110.59,51.02) 109.08,52.53 v1(108.07,52.53)
  Bottom w0.2: 101.02,40.71 101.96,41.65 ; 101.02,40.71 102.82,42.51 102.82,48.88 104.44,50.5 106.53,50.5 108.07,52.03 v1(108.07,52.53) ; 101.02,40.71 100.08,39.77 100.08,32.57 95.71,28.2 D4.3 89.16,28.2 D8.3 ; 132.21,28.2 D20.3 ; 132.21,28.2 128.54,28.2 123.56,33.19 123.56,39.82 120.6,42.77 120.6,46.44 116.02,51.02 v1(110.59,51.02) 105.48,45.91 105.48,42.59 106.34,41.73 110.07,41.73 114.6,37.2 114.6,35.98 U3.18 ; 132.21,28.2 134.61,28.2 D16.3
Net-(C3-Pad1): length 4.9
  Bottom w0.2: Y0.1 119.26,35.19 C3.1 121.89,35.06 R5.2
Net-(D1-Pad1): length 123.4
  Top w0.3: K1.2 14.53,94.14 K1.2
  Bottom w0.25: 90.53,74.46 88.37,74.46 ; 88.37,74.46 37.58,74.46 36.65,75.39 19.11,75.39 11.42,83.08 K1.2 ; 88.37,74.46 91.12,74.46 95.09,70.49 ; 95.09,70.49 94.48,71.1 ; 95.09,70.49 98.92,66.66 98.92,55.08 D1.1
Net-(D1-Pad2): length 102.7
  Top w0.3: K5.2 33.5,92.49 K5.2
  Bottom w0.25: 88.17,74.91 90.72,74.91 ; 88.17,74.91 91.31,74.91 ; 88.17,74.91 37.77,74.91 30.39,82.29 K5.2 ; 91.31,74.91 92.35,73.87 ; 91.31,74.91 99.37,66.85 99.37,56.66 D1.2
Net-(D2-Pad1): length 90.1
  Top w0.3: K6.2 31.85,73.5 K6.2
  Bottom w0.25: D2.1 98.02,51.29 98.02,66.29 93.45,70.87 76.14,70.87 74.95,72.05 56.35,72.05 55.14,73.26 37.51,73.26 36.28,74.5 33.83,74.5 K6.2
Net-(D2-Pad2): length 108.3
  Top w0.3: K2.2 12.85,75.15 K2.2
  Bottom w0.25: D2.2 98.47,52.87 98.47,66.48 93.63,71.32 76.32,71.32 75.13,72.5 56.53,72.5 55.32,73.71 37.69,73.71 36.46,74.94 18.92,74.94 17.72,76.15 14.83,76.15 K2.2
Net-(D3-Pad1): length 100.2
  Top w0.3: K3.2 11.21,56.18 K3.2
  Bottom w0.25: D3.1 92.26,31.47 86.98,36.75 21.87,36.75 8.1,50.52 K3.2
Net-(D3-Pad2): length 81
  Top w0.3: K7.2 30.19,54.54 K7.2
  Bottom w0.25: D3.2 91.34,33.03 87.17,37.2 38.76,37.2 27.08,48.88 K7.2
Net-(D4-Pad1): length 70.5
  Top w0.3: K8.2 28.12,30.77 K8.2
  Bottom w0.25: D4.1 90.85,31.57 86.57,35.85 34.18,35.85 K8.2
Net-(D4-Pad2): length 90
  Top w0.3: K4.2 9.2,32.45 K4.2
  Bottom w0.25: D4.2 86.76,36.3 14.03,36.3 K4.2
Net-(D5-Pad1): length 78.5
  Top w0.3: K9.2 52.48,90.81 K9.2
  Bottom w0.25: 98.42,68.43 91.5,75.36 89.92,75.36 ; 98.42,68.43 99.82,67.04 99.82,58.58 D5.1 ; 98.42,68.43 98.49,68.36 ; 89.92,75.36 90.9,75.36 ; 89.92,75.36 55.58,75.36 49.37,81.58 K9.2
Net-(D5-Pad2): length 55.2
  Top w0.3: K13.2 71.46,89.15 K13.2
  Bottom w0.25: D5.2 100.27,60.16 100.27,67.22 91.68,75.81 74.37,75.81 68.35,81.83 K13.2
Net-(D6-Pad1): length 53.3
  Top w0.3: K14.2 69.8,70.16 K14.2
  Bottom w0.25: K14.2 71.78,71.16 74.58,71.16 75.76,69.97 93.07,69.97 97.12,65.92 97.12,47.88 D6.1
Net-(D6-Pad2): length 71.5
  Top w0.3: K10.2 50.81,71.82 K10.2
  Bottom w0.25: D6.2 97.57,49.46 97.57,66.1 93.26,70.42 75.95,70.42 74.76,71.6 56.16,71.6 54.95,72.82 52.79,72.82 K10.2
Net-(D7-Pad1): length 61.2
  Top w0.3: K11.2 48.45,51.16 K11.2
  Bottom w0.25: K11.2 46.04,47.18 55.57,37.65 87.36,37.65 90.03,34.98 D7.1
Net-(D7-Pad2): length 43
  Top w0.3: K15.2 68.15,51.2 K15.2
  Bottom w0.25: K15.2 65.04,42.02 68.96,38.1 87.54,38.1 88.77,36.87 D7.2
Net-(D8-Pad1): length 15.4
  Top w0.25: K16.2 78.04,21.94 K16.2
  Bottom w0.25: D8.1 84.46,29.39 80.11,25.04 K16.2
Net-(D8-Pad2): length 49.4
  Top w0.3: K12.2 49.14,27.51 K12.2
  Bottom w0.25: D8.2 89.13,32.66 86.38,35.4 58.39,35.4 K12.2
Net-(D9-Pad1): length 34.4
  Top w0.3: K17.2 90.42,87.46 K17.2
  Bottom w0.25: D9.1 102.37,60.05 100.72,61.7 100.72,67.41 87.31,80.82 K17.2
Net-(D9-Pad2): length 27.5
  Top w0.2: v1(102.46,61.94) 108.3,67.78 K21.2
  Top w0.3: K21.2 111.51,87.07 K21.2
Net-(D10-Pad2): length 34.6
  Top w0.3: K18.2 88.78,68.51 K18.2
  Bottom w0.25: D10.2 96.67,45.56 96.67,65.73 92.9,69.51 90.76,69.51 K18.2
Net-(D11-Pad1): length 27.7
  Top w0.3: K19.2 87.14,49.57 K19.2
  Bottom w0.25: 94.01,37.32 94.69,37.32 95.91,38.55 D11.1 ; 94.01,37.32 89.54,37.32 ; 94.01,37.32 88.95,37.32 84.04,42.24 K19.2
Net-(D11-Pad2): length 16.6
  Top w0.2: K23.2 106.38,45.61 101.22,40.44 v1(98.02,40.44)
  Top w0.3: K23.2 111.59,48.97 K23.2
  Bottom w0.25: v1(98.02,40.44) D11.2
Net-(D12-Pad1): length 111.6
  Top w0.3: K20.2 208.61,94.25 K20.2
  Bottom w0.25: K20.2 205.53,90.36 205.53,80.46 200.42,75.35 135.47,75.35 125.91,65.79 125.91,57.14 123.53,54.76 D12.1
Net-(D13-Pad1): length 29.4
  Top w0.3: K25.2 132.67,87.56 K25.2
  Bottom w0.25: 129.59,74.05 129.59,72.02 121.35,63.77 D13.1 ; 129.59,74.05 129.59,83.67 K25.2 ; 129.59,74.05 129.59,73.25
Net-(D13-Pad2): length 47.3
  Top w0.3: K29.2 151.67,89.23 K29.2
  Bottom w0.25: 143.67,76.7 146.94,76.7 148.59,78.35 148.59,85.34 K29.2 ; 143.67,76.7 134.91,76.7 124.56,66.35 124.56,63.13 D13.2 ; 143.67,76.7 143.46,76.7
Net-(D14-Pad1): length 52
  Top w0.25: K30.2 153.34,70.26 K30.2
  Bottom w0.25: D14.1 127.71,46.16 127.71,65.05 133.36,70.7 148.68,70.7 K30.2
Net-(D14-Pad2): length 28.8
  Top w0.3: K26.2 134.38,68.58 K26.2
  Bottom w0.25: K26.2 130.09,64.9 128.16,62.97 128.16,44.46 125.88,42.18 D14.2
Net-(D15-Pad1): length 13.7
  Top w0.3: K27.2 132.77,46.06 K27.2
  Bottom w0.3: D15.1 126.82,40.49 132.21,45.89 K27.2
Net-(D15-Pad2): length 39.3
  Top w0.25: K31.2 155.02,51.28 K31.2
  Bottom w0.25: K31.2 152.91,41.38 149.14,37.6 128.31,37.6 127.31,38.6 D15.2
Net-(D16-Pad1): length 47.6
  Top w0.3: K32.2 173.85,27.44 K32.2
  Bottom w0.25: K32.2 166.56,34.91 139.86,34.91 D16.1
Net-(D16-Pad2): length 17.1
  Top w0.25: K28.2 142.62,20.26 K28.2
  Bottom w0.25: K28.2 144.32,26.87 141.81,29.38 D16.2
Net-(D17-Pad1): length 71
  Top w0.3: K33.2 168.73,88.76 K33.2
  Bottom w0.25: 125.01,66.17 125.01,60.69 122.66,58.33 D17.1 ; 125.01,66.17 135.09,76.25 163.83,76.25 167.54,79.96 167.54,86.99 K33.2 ; 125.01,66.17 127.1,68.25
Net-(D17-Pad2): length 90.2
  Top w0.3: K37.2 189.64,92.56 K37.2
  Bottom w0.25: K37.2 186.56,88.67 186.56,79.42 182.94,75.8 135.28,75.8 125.46,65.98 125.46,59.56 D17.2
Net-(D18-Pad1): length 88.8
  Top w0.25: K38.2 191.32,73.58 K38.2
  Bottom w0.25: 126.81,52.14 126.81,65.42 130.66,69.27 132.99,71.6 149.1,71.6 149.53,72.03 169.3,72.03 170.54,73.27 187.41,73.27 K38.2 ; 126.81,52.14 126.81,51.62 ; 126.81,52.14 126.81,49.67 D18.1
Net-(D18-Pad2): length 70
  Top w0.25: K34.2 172.35,71.95 K34.2
  Bottom w0.25: K34.2 168.5,71.58 149.87,71.58 149.44,71.15 133.17,71.15 127.26,65.23 127.26,48.09 D18.2
Net-(D19-Pad1): length 58.3
  Top w0.25: K35.2 173.95,52.95 K35.2
  Bottom w0.25: D19.1 127.65,37.16 166.62,37.16 171.84,42.38 K35.2
Net-(D19-Pad2): length 79.8
  Top w0.25: K39.2 192.94,54.62 K39.2
  Bottom w0.25: K39.2 190.83,42.08 185.46,36.71 129.23,36.71 D19.2
Net-(D20-Pad1): length 90
  Top w0.3: K40.2 213.98,32.52 K40.2
  Bottom w0.25: K40.2 210.91,35.81 136.54,35.81 D20.1
Net-(D20-Pad2): length 69.6
  Top w0.25: K36.2 193.13,28.73 K36.2
  Bottom w0.25: D20.2 138.29,35.36 190.73,35.36 K36.2
Net-(D21-Pad1): length 106.5
  Top w0.25: K24.2 210.28,75.24 K24.2
  Bottom w0.25: 126.36,64.31 126.36,64.63 ; 126.36,64.31 126.36,53.19 124.35,51.18 D21.1 ; 126.36,64.31 126.36,65.61 129.73,68.98 ; 129.73,68.98 129.94,69.19 ; 129.73,68.98 132.8,72.05 148.91,72.05 149.34,72.48 169.11,72.48 170.35,73.72 172.77,73.72 ; 172.77,73.72 172.22,73.72 ; 172.77,73.72 187.57,73.72 188.75,74.9 206.4,74.9 K24.2
Net-(D22-Pad2): length 100.6
  Top w0.25: K41.2 211.93,56.28 K41.2
  Bottom w0.25: D22.2 134.06,36.26 204.65,36.26 206.2,37.81 206.21,37.81 209.82,41.42 K41.2
Net-(J0-PadA5): length 7.1
  Bottom w0.25: R7.1 110.46,89.76 110.94,90.24 J0.A5
Net-(J0-PadB5): length 6.3
  Bottom w0.25: R6.1 114.53,89.79 113.94,90.38 J0.B5
Net-(R3-Pad2): length 6.7
  Bottom w0.2: 109.59,27.58 U3.47 ; 109.59,27.58 109.49,27.48 ; 109.59,27.58 109.04,27.03 109.04,24.02 R3.2
Net-(R4-Pad2): length 7.8
  Bottom w0.2: R4.2 109.44,26.87 110.18,27.6 ; U3.46 110.18,27.6 ; 110.18,27.6 109.76,27.18
unconnected-(U3-Pad36): length 0

## Copper pours and planes (outline as drawn; the poured copper is in the pictures)
GND on Top, Bottom: 235.13,-33.9 17.12,-33.9 -16.32,-0.46 -16.32,111.06 235.13,111.06

## Text on the board
B.Silkscreen: GND | LED | +5V | +1.1V
